# KiCad board hvd-50-idc-panel.kicad_pcb (continued)
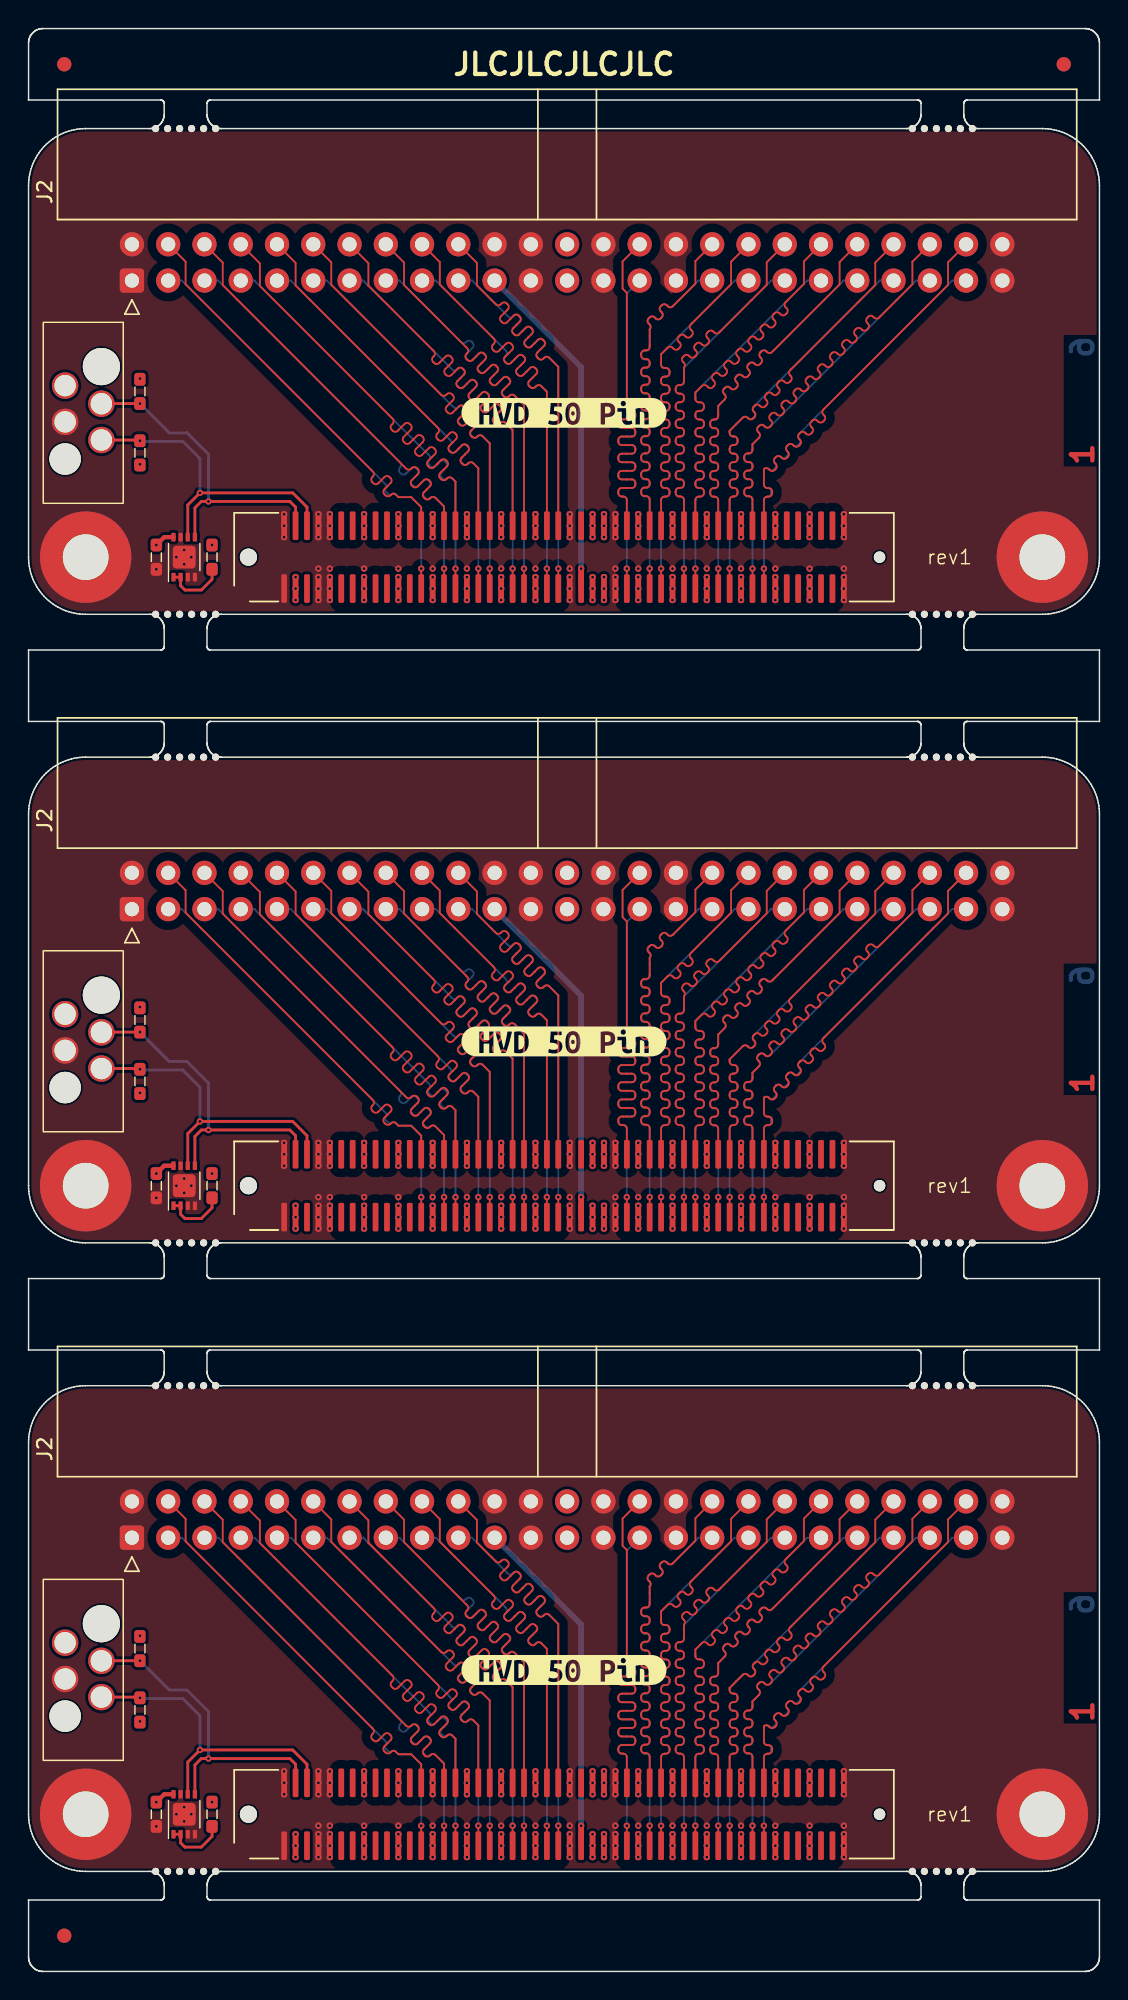
[diagram p0: board, top side]
## Routing (per net, layer and track width the routed paths; a pad name or vN(x,y) marks a point on that pad's centre or on a via; arc(x,y) is an arc through that point) (continued)
Board_2-/CON.DIFFSENSE: length 24.1
  Top w0.4: J1.53 v1(38.7,10.2)
  Bottom w0.4: v1(38.7,10.2) 38.7,24.3 J2.21
Board_2-/CON.DP0+: length 30.4
  Top w0.128: J1.49 v1(37.1,10.2)
  Bottom w0.128: J2.19 31.06,30.36 33.57,27.86 arc(33.74,27.79) 33.91,27.86 33.97,27.92 arc(34.14,27.99) 34.31,27.92 34.39,27.84 arc(34.46,27.67) 34.39,27.5 33.93,27.03 arc(33.86,26.86) 33.93,26.69 34.02,26.61 arc(34.19,26.54) 34.36,26.61 34.82,27.07 arc(34.99,27.14) 35.16,27.07 35.24,26.99 arc(35.31,26.82) 35.24,26.65 34.78,26.18 arc(34.71,26.01) 34.78,25.85 34.86,25.76 arc(35.03,25.69) 35.2,25.76 35.67,26.22 arc(35.84,26.29) 36.01,26.22 36.09,26.14 arc(36.16,25.97) 36.09,25.8 35.63,25.34 arc(35.56,25.17) 35.63,25 35.71,24.91 arc(35.88,24.84) 36.05,24.91 36.11,24.97 arc(36.28,25.04) 36.45,24.97 37.1,24.33 v1(37.1,10.2)
Board_2-/CON.DP0-: length 30
  Top w0.128: J2.20 31.4,31.6 31.4,30.03 32.73,28.7 arc(32.9,28.63) 33.07,28.7 33.14,28.77 arc(33.31,28.84) 33.48,28.77 33.57,28.68 arc(33.64,28.51) 33.57,28.34 33.08,27.86 arc(33.01,27.69) 33.08,27.52 33.17,27.44 arc(33.34,27.37) 33.51,27.44 33.99,27.92 arc(34.16,27.99) 34.33,27.92 34.41,27.84 arc(34.48,27.67) 34.41,27.5 33.93,27.01 arc(33.86,26.84) 33.93,26.67 34.02,26.59 arc(34.19,26.52) 34.36,26.59 34.84,27.07 arc(35.01,27.14) 35.18,27.07 35.26,26.99 arc(35.33,26.82) 35.26,26.65 34.78,26.16 arc(34.71,25.99) 34.78,25.82 34.86,25.74 arc(35.03,25.67) 35.2,25.74 35.69,26.22 arc(35.86,26.29) 36.03,26.22 36.11,26.14 arc(36.18,25.97) 36.11,25.8 35.63,25.32 arc(35.56,25.15) 35.63,24.98 35.71,24.89 arc(35.88,24.82) 36.05,24.89 36.12,24.96 arc(36.29,25.03) 36.46,24.96 37.1,24.33 J1.50
Board_2-/CON.I/O+: length 30.4
  Top w0.128: J1.85 v1(51.5,10.2)
  Bottom w0.128: v1(51.5,10.2) 51.5,15 arc(51.57,15.17) 51.74,15.24 51.77,15.24 arc(51.94,15.31) 52.01,15.48 52.01,15.6 arc(51.94,15.77) 51.77,15.84 51.74,15.84 arc(51.57,15.91) 51.5,16.08 51.5,17.17 arc(51.67,17.24) 51.84,17.17 51.86,17.15 arc(52.03,17.08) 52.2,17.15 52.28,17.23 arc(52.35,17.4) 52.28,17.57 52.26,17.59 arc(52.19,17.76) 52.26,17.93 52.35,18.02 arc(52.52,18.09) 52.69,18.02 52.71,18 arc(52.88,17.93) 53.05,18 53.13,18.08 arc(53.2,18.25) 53.13,18.42 53.11,18.44 arc(53.04,18.61) 53.11,18.78 53.2,18.86 arc(53.37,18.93) 53.54,18.86 53.55,18.85 arc(53.72,18.78) 53.89,18.85 53.98,18.93 arc(54.05,19.1) 53.98,19.27 53.96,19.29 arc(53.89,19.46) 53.96,19.63 54.05,19.71 64.7,30.36 J2.47
Board_2-/CON.I/O-: length 30
  Top w0.128: J1.86 51.5,15 arc(51.57,15.17) 51.74,15.24 51.84,15.24 arc(52.01,15.31) 52.08,15.48 52.08,15.6 arc(52.01,15.77) 51.84,15.84 51.74,15.84 arc(51.57,15.91) 51.5,16.08 51.5,17.17 arc(51.67,17.24) 51.84,17.17 51.91,17.1 arc(52.08,17.03) 52.25,17.1 52.33,17.18 arc(52.4,17.35) 52.33,17.52 52.26,17.59 arc(52.19,17.76) 52.26,17.93 52.35,18.02 arc(52.52,18.09) 52.69,18.02 52.76,17.94 arc(52.93,17.87) 53.1,17.94 53.18,18.03 arc(53.25,18.2) 53.18,18.37 53.11,18.44 arc(53.04,18.61) 53.11,18.78 53.2,18.86 arc(53.37,18.93) 53.54,18.86 53.61,18.79 arc(53.78,18.72) 53.95,18.79 54.03,18.88 arc(54.1,19.05) 54.03,19.22 53.96,19.29 arc(53.89,19.46) 53.96,19.63 54.05,19.71 arc(54.22,19.78) 54.38,19.71 54.46,19.64 arc(54.63,19.57) 54.79,19.64 54.88,19.73 arc(54.95,19.9) 54.88,20.07 54.81,20.14 arc(54.74,20.31) 54.81,20.48 54.89,20.56 arc(55.06,20.63) 55.23,20.56 55.3,20.49 arc(55.47,20.42) 55.64,20.49 55.73,20.58 arc(55.8,20.75) 55.73,20.91 55.66,20.99 arc(55.59,21.16) 55.66,21.32 55.74,21.41 64.4,30.07 64.4,31.64 J2.48
Board_2-/CON.MSG+: length 30.4
  Top w0.128: J1.73 v1(46.7,10.2)
  Bottom w0.128: J2.39 54.54,30.36 46.7,22.53 46.7,22.07 arc(46.77,21.9) 46.94,21.83 47.05,21.83 arc(47.22,21.76) 47.29,21.59 47.29,21.47 arc(47.22,21.3) 47.05,21.23 46.94,21.23 arc(46.77,21.16) 46.7,20.99 46.7,20.87 arc(46.77,20.7) 46.94,20.63 47.05,20.63 arc(47.22,20.56) 47.29,20.39 47.29,20.27 arc(47.22,20.1) 47.05,20.03 46.94,20.03 arc(46.77,19.96) 46.7,19.79 46.7,19.67 arc(46.77,19.5) 46.94,19.43 47.05,19.43 arc(47.22,19.36) 47.29,19.19 47.29,19.07 arc(47.22,18.9) 47.05,18.83 46.94,18.83 arc(46.77,18.76) 46.7,18.59 46.7,18.47 arc(46.77,18.3) 46.94,18.23 47.05,18.23 arc(47.22,18.16) 47.29,17.99 47.29,17.87 arc(47.22,17.7) 47.05,17.63 46.94,17.63 arc(46.77,17.56) 46.7,17.39 46.7,17.27 arc(46.77,17.1) 46.94,17.03 47.05,17.03 arc(47.22,16.96) 47.29,16.79 47.29,16.67 arc(47.22,16.5) 47.05,16.43 46.94,16.43 arc(46.77,16.36) 46.7,16.19 46.7,16.07 arc(46.77,15.9) 46.94,15.83 47.05,15.83 arc(47.22,15.76) 47.29,15.59 47.29,15.47 arc(47.22,15.3) 47.05,15.23 46.94,15.23 arc(46.77,15.16) 46.7,14.99 v1(46.7,10.2)
Board_2-/CON.MSG-: length 33.6
  Top w0.128: J2.40 54.3,31.7 54.3,30.13 53.01,28.84 arc(52.94,28.67) 53.01,28.5 53.1,28.42 arc(53.17,28.25) 53.1,28.08 53.01,27.99 arc(52.84,27.92) 52.68,27.99 52.59,28.08 arc(52.42,28.15) 52.25,28.08 52.17,27.99 arc(52.1,27.82) 52.17,27.65 52.25,27.57 arc(52.32,27.4) 52.25,27.23 52.17,27.14 arc(52,27.07) 51.83,27.14 51.74,27.23 arc(51.57,27.3) 51.4,27.23 51.32,27.14 arc(51.25,26.97) 51.32,26.8 51.4,26.72 arc(51.47,26.55) 51.4,26.38 51.32,26.3 arc(51.15,26.23) 50.98,26.3 50.89,26.38 arc(50.72,26.45) 50.55,26.38 50.47,26.3 arc(50.4,26.13) 50.47,25.96 50.55,25.87 arc(50.62,25.7) 50.55,25.53 50.47,25.45 arc(50.3,25.38) 50.13,25.45 50.04,25.53 arc(49.87,25.6) 49.71,25.53 49.62,25.45 arc(49.55,25.28) 49.62,25.11 49.71,25.02 arc(49.78,24.85) 49.71,24.68 49.62,24.6 arc(49.45,24.53) 49.28,24.6 49.2,24.68 arc(49.03,24.75) 48.86,24.68 48.77,24.6 arc(48.7,24.43) 48.77,24.26 48.86,24.17 arc(48.93,24) 48.86,23.84 48.77,23.75 arc(48.6,23.68) 48.43,23.75 48.35,23.84 arc(48.18,23.91) 48.01,23.84 47.92,23.75 arc(47.85,23.58) 47.92,23.41 48.01,23.33 arc(48.08,23.16) 48.01,22.99 47.92,22.9 arc(47.75,22.83) 47.58,22.9 47.5,22.99 arc(47.33,23.06) 47.16,22.99 46.7,22.53 46.7,22.08 arc(46.77,21.91) 46.94,21.84 47.06,21.84 arc(47.23,21.77) 47.3,21.6 47.3,21.48 arc(47.23,21.31) 47.06,21.24 46.94,21.24 arc(46.77,21.17) 46.7,21 46.7,20.88 arc(46.77,20.71) 46.94,20.64 47.06,20.64 arc(47.23,20.57) 47.3,20.4 47.3,20.28 arc(47.23,20.11) 47.06,20.04 46.94,20.04 arc(46.77,19.97) 46.7,19.8 46.7,19.68 arc(46.77,19.51) 46.94,19.44 47.06,19.44 arc(47.23,19.37) 47.3,19.2 47.3,19.08 arc(47.23,18.91) 47.06,18.84 46.94,18.84 arc(46.77,18.77) 46.7,18.6 46.7,18.48 arc(46.77,18.31) 46.94,18.24 47.06,18.24 arc(47.23,18.17) 47.3,18 47.3,17.88 arc(47.23,17.71) 47.06,17.64 46.94,17.64 arc(46.77,17.57) 46.7,17.4 46.7,17.28 arc(46.77,17.11) 46.94,17.04 47.06,17.04 arc(47.23,16.97) 47.3,16.8 47.3,16.68 arc(47.23,16.51) 47.06,16.44 46.94,16.44 arc(46.77,16.37) 46.7,16.2 46.7,16.08 arc(46.77,15.91) 46.94,15.84 47.06,15.84 arc(47.23,15.77) 47.3,15.6 47.3,15.48 arc(47.23,15.31) 47.06,15.24 46.94,15.24 arc(46.77,15.17) 46.7,15 J1.74
Board_2-/CON.REQ+: length 30.4
  Top w0.128: J1.83 v1(50.7,10.2)
  Bottom w0.128: J2.45 62.16,30.36 52.01,20.22 51.92,20.13 arc(51.75,20.06) 51.58,20.13 51.5,20.21 arc(51.33,20.28) 51.16,20.21 51.08,20.13 arc(51.01,19.96) 51.08,19.79 51.16,19.71 arc(51.23,19.54) 51.16,19.37 50.7,18.91 50.7,18.48 arc(50.63,18.31) 50.46,18.24 50.34,18.24 arc(50.17,18.17) 50.1,18 50.1,17.88 arc(50.17,17.71) 50.34,17.64 50.46,17.64 arc(50.63,17.57) 50.7,17.4 50.7,17.28 arc(50.63,17.11) 50.46,17.04 50.34,17.04 arc(50.17,16.97) 50.1,16.8 50.1,16.68 arc(50.17,16.51) 50.34,16.44 50.46,16.44 arc(50.63,16.37) 50.7,16.2 50.7,16.08 arc(50.63,15.91) 50.46,15.84 50.34,15.84 arc(50.17,15.77) 50.1,15.6 50.1,15.48 arc(50.17,15.31) 50.34,15.24 50.46,15.24 arc(50.63,15.17) 50.7,15 v1(50.7,10.2)
Board_2-/CON.REQ-: length 34.4
  Top w0.128: J2.46 61.9,31.68 61.9,30.11 59.56,27.77 arc(59.39,27.7) 59.22,27.77 59.15,27.83 arc(58.98,27.9) 58.81,27.83 58.73,27.75 arc(58.66,27.58) 58.73,27.41 58.8,27.34 arc(58.87,27.17) 58.8,27 58.71,26.92 arc(58.54,26.85) 58.37,26.92 58.3,26.99 arc(58.13,27.06) 57.97,26.99 57.88,26.9 arc(57.81,26.73) 57.88,26.56 57.95,26.49 arc(58.02,26.32) 57.95,26.15 57.86,26.07 arc(57.69,26) 57.52,26.07 57.46,26.14 arc(57.29,26.21) 57.12,26.14 57.03,26.05 arc(56.96,25.88) 57.03,25.71 57.1,25.65 arc(57.17,25.48) 57.1,25.31 57.01,25.22 arc(56.84,25.15) 56.68,25.22 56.61,25.29 arc(56.44,25.36) 56.27,25.29 56.18,25.2 arc(56.11,25.03) 56.18,24.86 56.25,24.8 arc(56.32,24.63) 56.25,24.46 56.17,24.37 arc(56,24.3) 55.83,24.37 55.76,24.44 arc(55.59,24.51) 55.42,24.44 55.33,24.36 arc(55.26,24.19) 55.33,24.02 55.4,23.95 arc(55.47,23.78) 55.4,23.61 55.32,23.52 arc(55.15,23.45) 54.98,23.52 54.91,23.59 arc(54.74,23.66) 54.57,23.59 54.49,23.51 arc(54.42,23.34) 54.49,23.17 54.55,23.1 arc(54.62,22.93) 54.55,22.76 54.47,22.68 arc(54.3,22.61) 54.13,22.68 54.06,22.74 arc(53.89,22.81) 53.72,22.74 53.64,22.66 arc(53.57,22.49) 53.64,22.32 53.71,22.25 arc(53.78,22.08) 53.71,21.91 53.62,21.83 arc(53.45,21.76) 53.28,21.83 53.21,21.89 arc(53.04,21.97) 52.87,21.89 52.79,21.81 arc(52.72,21.64) 52.79,21.47 52.86,21.4 arc(52.93,21.23) 52.86,21.06 52.77,20.98 arc(52.6,20.91) 52.43,20.98 52.36,21.05 arc(52.2,21.12) 52.03,21.05 51.94,20.96 arc(51.87,20.79) 51.94,20.62 52.01,20.55 arc(52.08,20.38) 52.01,20.22 51.92,20.13 arc(51.75,20.06) 51.58,20.13 51.52,20.2 arc(51.35,20.27) 51.18,20.2 51.09,20.11 arc(51.02,19.94) 51.09,19.77 51.16,19.71 arc(51.23,19.54) 51.16,19.37 50.7,18.91 50.7,18.51 arc(50.63,18.34) 50.46,18.27 50.36,18.27 arc(50.19,18.2) 50.12,18.03 50.12,17.91 arc(50.19,17.74) 50.36,17.67 50.46,17.67 arc(50.63,17.6) 50.7,17.43 50.7,17.31 arc(50.63,17.14) 50.46,17.07 50.36,17.07 arc(50.19,17) 50.12,16.83 50.12,16.71 arc(50.19,16.54) 50.36,16.47 50.46,16.47 arc(50.63,16.4) 50.7,16.23 50.7,16.11 arc(50.63,15.94) 50.46,15.87 50.36,15.87 arc(50.19,15.8) 50.12,15.63 50.12,15.51 arc(50.19,15.34) 50.36,15.27 50.46,15.27 arc(50.63,15.2) 50.7,15.03 J1.84
Board_2-/CON.RST+: length 30.4
  Top w0.128: J1.71 v1(45.9,10.2)
  Bottom w0.128: v1(45.9,10.2) 45.9,15 arc(45.83,15.17) 45.66,15.24 45.55,15.24 arc(45.38,15.31) 45.31,15.48 45.31,15.6 arc(45.38,15.77) 45.55,15.84 45.66,15.84 arc(45.83,15.91) 45.9,16.08 45.9,16.2 arc(45.83,16.37) 45.66,16.44 45.55,16.44 arc(45.38,16.51) 45.31,16.68 45.31,16.8 arc(45.38,16.97) 45.55,17.04 45.66,17.04 arc(45.83,17.11) 45.9,17.28 45.9,17.4 arc(45.83,17.57) 45.66,17.64 45.55,17.64 arc(45.38,17.71) 45.31,17.88 45.31,18 arc(45.38,18.17) 45.55,18.24 45.66,18.24 arc(45.83,18.31) 45.9,18.48 45.9,18.6 arc(45.83,18.77) 45.66,18.84 45.55,18.84 arc(45.38,18.91) 45.31,19.08 45.31,19.2 arc(45.38,19.37) 45.55,19.44 45.66,19.44 arc(45.83,19.51) 45.9,19.68 45.9,19.8 arc(45.83,19.97) 45.66,20.04 45.55,20.04 arc(45.38,20.11) 45.31,20.28 45.31,20.4 arc(45.38,20.57) 45.55,20.64 45.66,20.64 arc(45.83,20.71) 45.9,20.88 45.9,21 arc(45.83,21.17) 45.66,21.24 45.55,21.24 arc(45.38,21.31) 45.31,21.48 45.31,21.6 arc(45.38,21.77) 45.55,21.84 45.66,21.84 arc(45.83,21.91) 45.9,22.08 45.9,22.2 arc(45.83,22.37) 45.66,22.44 45.55,22.44 arc(45.38,22.51) 45.31,22.68 45.31,22.8 arc(45.38,22.97) 45.55,23.04 45.66,23.04 arc(45.83,23.11) 45.9,23.28 45.9,24.27 52,30.36 J2.37
Board_2-/CON.RST-: length 30
  Top w0.128: J1.72 45.9,15.01 arc(45.83,15.18) 45.66,15.25 45.56,15.25 arc(45.39,15.32) 45.32,15.49 45.32,15.61 arc(45.39,15.78) 45.56,15.85 45.66,15.85 arc(45.83,15.92) 45.9,16.09 45.9,16.21 arc(45.83,16.38) 45.66,16.45 45.56,16.45 arc(45.39,16.52) 45.32,16.69 45.32,16.81 arc(45.39,16.98) 45.56,17.05 45.66,17.05 arc(45.83,17.12) 45.9,17.29 45.9,17.41 arc(45.83,17.58) 45.66,17.65 45.56,17.65 arc(45.39,17.72) 45.32,17.89 45.32,18.01 arc(45.39,18.18) 45.56,18.25 45.66,18.25 arc(45.83,18.32) 45.9,18.49 45.9,18.61 arc(45.83,18.78) 45.66,18.85 45.56,18.85 arc(45.39,18.92) 45.32,19.09 45.32,19.21 arc(45.39,19.38) 45.56,19.45 45.66,19.45 arc(45.83,19.52) 45.9,19.69 45.9,19.81 arc(45.83,19.98) 45.66,20.05 45.56,20.05 arc(45.39,20.12) 45.32,20.29 45.32,20.41 arc(45.39,20.58) 45.56,20.65 45.66,20.65 arc(45.83,20.72) 45.9,20.89 45.9,21.01 arc(45.83,21.18) 45.66,21.25 45.56,21.25 arc(45.39,21.32) 45.32,21.49 45.32,21.61 arc(45.39,21.78) 45.56,21.85 45.66,21.85 arc(45.83,21.92) 45.9,22.09 45.9,22.21 arc(45.83,22.38) 45.66,22.45 45.56,22.45 arc(45.39,22.52) 45.32,22.69 45.32,22.81 arc(45.39,22.98) 45.56,23.05 45.66,23.05 arc(45.83,23.12) 45.9,23.29 45.9,24.27 arc(45.97,24.44) 45.9,24.61 45.83,24.68 arc(45.76,24.84) 45.83,25.01 45.92,25.1 arc(46.09,25.17) 46.26,25.1 46.32,25.03 arc(46.49,24.96) 46.66,25.03 46.75,25.12 arc(46.82,25.29) 46.75,25.45 46.68,25.52 arc(46.61,25.69) 46.68,25.86 46.76,25.95 arc(46.93,26.02) 47.1,25.95 47.17,25.88 arc(47.34,25.81) 47.51,25.88 47.6,25.96 arc(47.67,26.13) 47.6,26.3 47.53,26.37 arc(47.46,26.54) 47.53,26.71 47.61,26.8 arc(47.78,26.87) 47.95,26.8 48.02,26.73 arc(48.19,26.66) 48.36,26.73 51.7,30.07 51.7,31.64 J2.38
Board_2-/CON.SEL+: length 32.9
  Top w0.128: J1.77 v1(48.3,10.2)
  Bottom w0.128: J2.41 57.08,30.36 52.07,25.36 arc(51.9,25.29) 51.73,25.36 51.66,25.43 arc(51.49,25.5) 51.32,25.43 51.23,25.34 arc(51.16,25.17) 51.23,25 51.31,24.93 arc(51.38,24.76) 51.31,24.59 51.22,24.51 arc(51.05,24.44) 50.88,24.51 50.81,24.58 arc(50.64,24.65) 50.47,24.58 50.38,24.49 arc(50.31,24.32) 50.38,24.16 50.46,24.08 arc(50.53,23.91) 50.46,23.74 50.37,23.66 arc(50.2,23.59) 50.03,23.66 49.96,23.73 arc(49.79,23.8) 49.62,23.73 49.54,23.65 arc(49.47,23.48) 49.54,23.31 49.61,23.23 arc(49.68,23.06) 49.61,22.9 49.52,22.81 arc(49.35,22.74) 49.18,22.81 49.11,22.88 arc(48.94,22.95) 48.77,22.88 48.69,22.8 arc(48.62,22.63) 48.69,22.46 48.76,22.39 arc(48.83,22.22) 48.76,22.05 48.3,21.59 48.3,20.86 arc(48.23,20.69) 48.06,20.62 47.96,20.62 arc(47.79,20.55) 47.72,20.38 47.72,20.26 arc(47.79,20.09) 47.96,20.02 48.06,20.02 arc(48.23,19.95) 48.3,19.78 48.3,19.66 arc(48.23,19.49) 48.06,19.42 47.96,19.42 arc(47.79,19.35) 47.72,19.18 47.72,19.06 arc(47.79,18.89) 47.96,18.82 48.06,18.82 arc(48.23,18.75) 48.3,18.58 48.3,18.46 arc(48.23,18.29) 48.06,18.22 47.96,18.22 arc(47.79,18.15) 47.72,17.98 47.72,17.86 arc(47.79,17.69) 47.96,17.62 48.06,17.62 arc(48.23,17.55) 48.3,17.38 48.3,17.26 arc(48.23,17.09) 48.06,17.02 47.96,17.02 arc(47.79,16.95) 47.72,16.78 47.72,16.66 arc(47.79,16.49) 47.96,16.42 48.06,16.42 arc(48.23,16.35) 48.3,16.18 48.3,16.06 arc(48.23,15.89) 48.06,15.82 47.96,15.82 arc(47.79,15.75) 47.72,15.58 47.72,15.46 arc(47.79,15.29) 47.96,15.22 48.06,15.22 arc(48.23,15.15) 48.3,14.98 v1(48.3,10.2)
Board_2-/CON.SEL-: length 30
  Top w0.128: J2.42 56.8,31.66 56.8,30.09 52.07,25.36 arc(51.9,25.29) 51.73,25.36 51.68,25.41 arc(51.51,25.48) 51.34,25.41 51.25,25.33 arc(51.18,25.16) 51.25,24.99 51.31,24.93 arc(51.38,24.76) 51.31,24.59 51.22,24.51 arc(51.05,24.44) 50.88,24.51 50.83,24.56 arc(50.66,24.63) 50.49,24.56 50.4,24.48 arc(50.33,24.31) 50.4,24.14 50.46,24.08 arc(50.53,23.91) 50.46,23.74 50.37,23.66 arc(50.2,23.59) 50.03,23.66 49.98,23.71 arc(49.81,23.78) 49.64,23.71 49.55,23.63 arc(49.48,23.46) 49.55,23.29 49.61,23.23 arc(49.68,23.06) 49.61,22.9 49.52,22.81 arc(49.35,22.74) 49.18,22.81 49.13,22.86 arc(48.96,22.93) 48.79,22.86 48.71,22.78 arc(48.64,22.61) 48.71,22.44 48.76,22.39 arc(48.83,22.22) 48.76,22.05 48.3,21.59 48.3,20.88 arc(48.23,20.71) 48.06,20.64 47.98,20.64 arc(47.81,20.57) 47.74,20.4 47.74,20.28 arc(47.81,20.11) 47.98,20.04 48.06,20.04 arc(48.23,19.97) 48.3,19.8 48.3,19.68 arc(48.23,19.51) 48.06,19.44 47.98,19.44 arc(47.81,19.37) 47.74,19.2 47.74,19.08 arc(47.81,18.91) 47.98,18.84 48.06,18.84 arc(48.23,18.77) 48.3,18.6 48.3,18.48 arc(48.23,18.31) 48.06,18.24 47.98,18.24 arc(47.81,18.17) 47.74,18 47.74,17.88 arc(47.81,17.71) 47.98,17.64 48.06,17.64 arc(48.23,17.57) 48.3,17.4 48.3,17.28 arc(48.23,17.11) 48.06,17.04 47.98,17.04 arc(47.81,16.97) 47.74,16.8 47.74,16.68 arc(47.81,16.51) 47.98,16.44 48.06,16.44 arc(48.23,16.37) 48.3,16.2 48.3,16.08 arc(48.23,15.91) 48.06,15.84 47.98,15.84 arc(47.81,15.77) 47.74,15.6 47.74,15.48 arc(47.81,15.31) 47.98,15.24 48.06,15.24 arc(48.23,15.17) 48.3,15 J1.78
Board_2-/CON.TERMPWR:
  vias: v1(39.5,14) v1(39.5,13.2) v1(39.5,12.4) v1(39.5,9.6) v1(39.5,8.8) v1(39.5,8) v1(40.3,14) v1(40.3,13.2) v1(40.3,12.4) v1(40.3,9.6) v1(40.3,8.8) v1(40.3,8)
Board_2-/PHY.ID_SCL: length 22.5
  Top w0.2: J1.6 19.5,14.5 18.5,15.5 v1(12,15.5) 11.15,14.65 U1#3.6 ; v1(7.8,19.15) 7.45,19.15 7.4,19.2 J3#2.4
  Bottom w0.2: v1(12,15.5) 12,17.9 10.8,19.1 7.85,19.1 v1(7.8,19.15)
Board_2-/PHY.ID_SDA: length 23
  Top w0.2: J1.4 18.7,14.5 18.3,14.9 12.1,14.9 11.65,14.45 U1#3.5 ; v1(7.8,21.75) 5.11,21.75 J3#2.2
  Bottom w0.2: v1(12.6,14.9) 12.6,18.2 11.1,19.7 9.85,19.7 v1(7.8,21.75)
Board_2-GND:
  vias: v1(8.95,10.15) v1(10.35,11) v1(10.9,11.5) v1(10.9,10.5) v1(11.4,11) v1(17.9,14) v1(17.9,13.2) v1(17.9,12.4) v1(20.3,14) v1(20.3,13.2) v1(20.3,12.4) v1(20.3,10.2) v1(20.3,9.6) v1(20.3,8.8) v1(20.3,8) v1(21.1,14) v1(21.1,13.2) v1(21.1,12.4) v1(21.1,10.2) v1(21.1,9.6) v1(21.1,8.8) v1(21.1,8) v1(23.5,14) v1(23.5,13.2) v1(23.5,12.4) v1(23.5,10.2) v1(23.5,9.6) v1(23.5,8.8) v1(23.5,8) v1(25.9,14) v1(25.9,13.2) v1(25.9,12.4) v1(25.9,10.2) v1(25.9,9.6) v1(25.9,8.8) v1(25.9,8) v1(28.3,14) v1(28.3,13.2) v1(28.3,12.4) v1(28.3,10.2) v1(28.3,9.6) v1(28.3,8.8) v1(28.3,8) v1(30.7,14) v1(30.7,13.2) v1(30.7,12.4) v1(30.7,10.2) v1(30.7,9.6) v1(30.7,8.8) v1(30.7,8) v1(33.1,14) v1(33.1,13.2) v1(33.1,12.4) v1(33.1,10.2) v1(33.1,9.6) v1(33.1,8.8) v1(33.1,8) v1(35.5,14) v1(35.5,13.2) v1(35.5,12.4) v1(35.5,10.2) v1(35.5,9.6) v1(35.5,8.8) v1(35.5,8) v1(37.9,14) v1(37.9,13.2) v1(37.9,12.4) v1(37.9,10.2) v1(37.9,9.6) v1(37.9,8.8) v1(37.9,8) v1(41.1,14) v1(41.1,13.2) v1(41.1,12.4) v1(41.1,10.2) v1(41.1,9.6) v1(41.1,8.8) v1(41.1,8) v1(42.7,14) v1(42.7,13.2) v1(42.7,12.4) v1(42.7,10.2) v1(42.7,9.6) v1(42.7,8.8) v1(42.7,8) v1(45.1,14) v1(45.1,13.2) v1(45.1,12.4) v1(45.1,10.2) v1(45.1,9.6) v1(45.1,8.8) v1(45.1,8) v1(47.5,14) v1(47.5,13.2) v1(47.5,12.4) v1(47.5,10.2) v1(47.5,9.6) v1(47.5,8.8) v1(47.5,8) v1(49.9,14) v1(49.9,13.2) v1(49.9,12.4) v1(49.9,10.2) v1(49.9,9.6) v1(49.9,8.8) v1(49.9,8) v1(52.3,14) v1(52.3,13.2) v1(52.3,12.4) v1(52.3,10.2) v1(52.3,9.6) v1(52.3,8.8) v1(52.3,8) v1(54.7,14) v1(54.7,13.2) v1(54.7,12.4) v1(54.7,10.2) v1(54.7,9.6) v1(54.7,8.8) v1(54.7,8) v1(57.1,14) v1(57.1,13.2) v1(57.1,12.4) v1(57.1,10.2) v1(57.1,9.6) v1(57.1,8.8) v1(57.1,8)
Board_2-Net-(U1-E0): length 4.4
  Top w0.2: U1#3.1 U1#3.2 10.65,9 10.95,8.7 12.1,8.7 12.85,9.45 R1#2.1

## Copper pours and planes (outline as drawn; the poured copper is in the pictures)
Board_0-+3V3 on In2.Cu: 19,95.7 4,95.7 0.7,99 0.7,112.2 9,112.2 9,102 14.8,102 19,97.8
Board_0-/CON.TERMPWR on In2.Cu: 0,95 75,95 75,129 0,129
Board_0-GND on Top, Bottom, In1.Cu, In3.Cu, In4.Cu: 75,95 0,95 0,129 75,129
Board_1-+3V3 on In2.Cu: 19,51.7 4,51.7 0.7,55 0.7,68.2 9,68.2 9,58 14.8,58 19,53.8
Board_1-/CON.TERMPWR on In2.Cu: 0,51 75,51 75,85 0,85
Board_1-GND on Top, Bottom, In1.Cu, In3.Cu, In4.Cu: 75,51 0,51 0,85 75,85
Board_2-+3V3 on In2.Cu: 19,7.7 4,7.7 0.7,11 0.7,24.2 9,24.2 9,14 14.8,14 19,9.8
Board_2-/CON.TERMPWR on In2.Cu: 0,7 75,7 75,41 0,41
Board_2-GND on Top, Bottom, In1.Cu, In3.Cu, In4.Cu: 75,7 0,7 0,41 75,41

## Text on the board
Bottom: 6
Top: 1
F.Silkscreen: rev1 | JLCJLCJLCJLC
In1.Cu: 2
In2.Cu: 3
In3.Cu: 4
In4.Cu: 5
